# Altium PCB S3220B.PcbDoc (part 1 of 3) (continued)
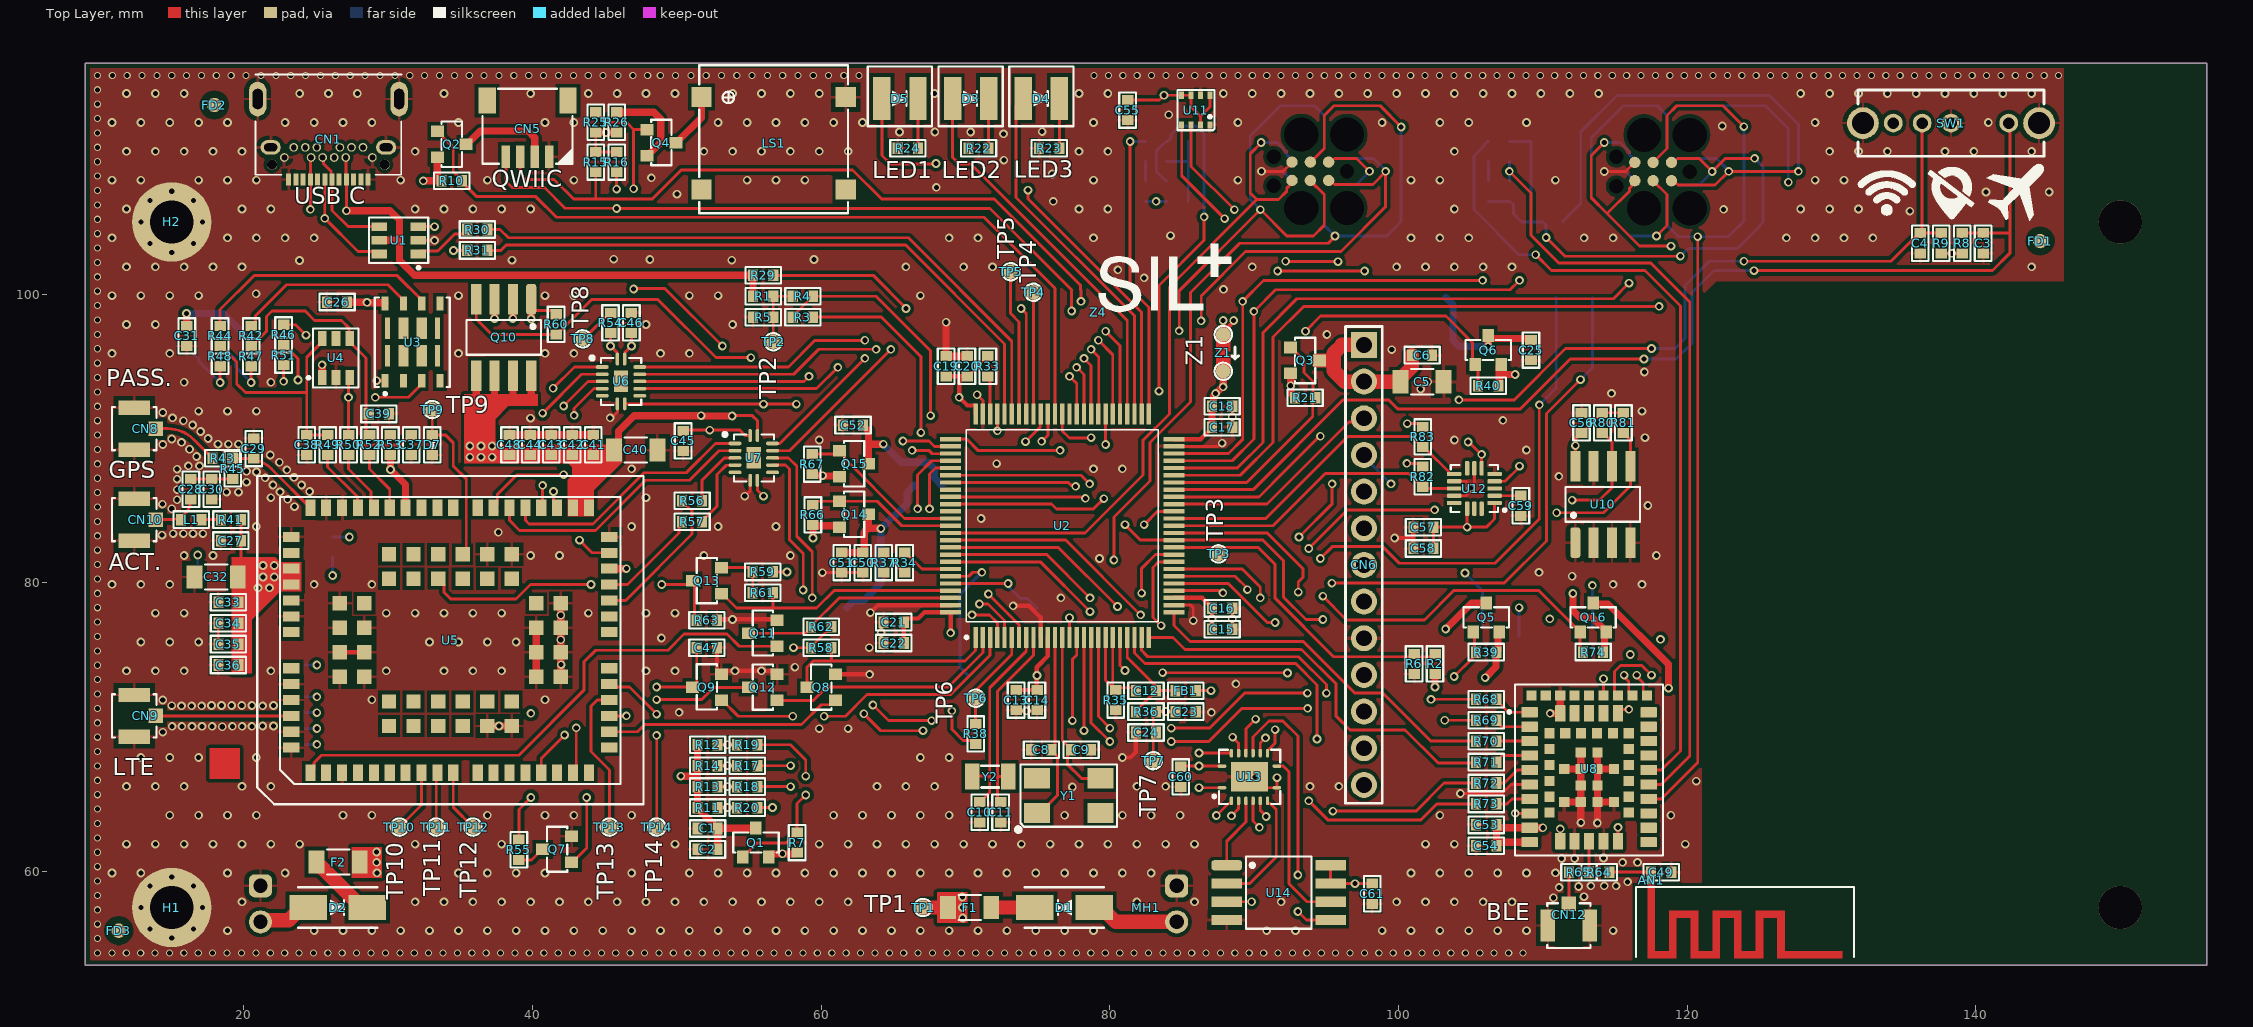
[diagram p0: Top Layer view]
## Classes and differential pairs
component class S3220B3: C26 C27 C28 C29 C30 C31 C32 C33 C34 C35 C36 C37 C38 C39 C40 C41 C42 C43 C44 C45 C46 C47 C48 CN8 CN9 CN10 CN11 D7 D8 L1 Q7 Q8 Q9 Q10 Q11 Q12 Q13 R41 R42 R43 R44 R45 R46 R47 R48 R49 R50 R51 R52 R53 R54 R55 R56 R57 R58 R59 R60 R61 R62 R63 TP8 TP9 TP10 TP11 TP12 TP13 TP14 U3 U4 U5 U6 U7
component class S3220B2: C7 C8 C9 C10 C11 C12 C13 C14 C15 C16 C17 C18 C19 C20 C21 C22 C23 C24 C25 CN7 D6 FB1 LS1 M1 PB1 PB2 Q4 Q5 Q6 R25 R26 R27 R28 R29 R30 R31 R32 R33 R34 R35 R36 R37 R38 R39 R40 TP4 TP5 TP6 TP7 U2 Y1 Y2 Z1
component class S3220B4: AN1 C49 C50 C51 C52 C53 C54 C55 C56 C57 C58 C59 C60 C61 CN12 CN13 D9 FD1 FD2 FD3 H1 H2 MH1 P1 PB3 PB4 Q14 Q15 Q16 R64 R65 R66 R67 R68 R69 R70 R71 R72 R73 R74 R75 R76 R77 R78 R79 R80 R81 R82 R83 U8 U9 U10 U11 U12 U13 U14 Z2 Z3 Z4 Z5
component class S3220B1: C1 C2 C3 C4 C5 C6 CN1 CN2 CN3 CN4 CN5 CN6 D1 D2 D3 D4 D5 F1 F2 Q1 Q2 Q3 R1 R2 R3 R4 R5 R6 R7 R8 R9 R10 R11 R12 R13 R14 R15 R16 R17 R18 R19 R20 R21 R22 R23 R24 SW1 TP1 TP2 TP3 U1

## Components (designator, comment, footprint, x,y, rotation, side; value= is the part's Value field where it differs from the comment)
AN1 "2.4GHz" AN_2400-PCB-B 117.5,59.375 r0 top
C1 "100nF_50V" C_0603 52.125,62.975 r0 top value=100nF
C2 "10uF_10V" C_0603 52.125,61.525 r0 top value=10uF
C3 "100nF_50V" C_0603 140.5,103.525 r90 top value=100nF
C4 "100nF_50V" C_0603 136.15,103.525 r90 top value=100nF
C5 "220uF_6.3V" C_1206 101.625,93.925 r180 top value=220uF
C6 "100nF_50V" C_0603 101.625,95.775 r180 top value=100nF
C7 "100nF_50V" C_0603 100.8,105 r180 bottom value=100nF
C8 "18pF_50V" C_0603 75.25,68.425 r0 top value=18pF
C9 "18pF_50V" C_0603 78,68.425 r180 top value=18pF
C10 "12pF_50V" C_0603 70.975,64.1 r90 top value=12pF
C11 "12pF_50V" C_0603 72.425,64.1 r90 top value=12pF
C12 "100nF_50V" C_0603 82.5,72.525 r0 top value=100nF
C13 "100nF_50V" C_0603 73.5,71.875 r90 top value=100nF
C14 "10uF_10V" C_0603 74.95,71.875 r90 top value=10uF
C15 "100nF_50V" C_0603 87.775,76.775 r180 top value=100nF
C16 "10uF_10V" C_0603 87.775,78.225 r180 top value=10uF
C17 "100nF_50V" C_0603 87.775,90.775 r180 top value=100nF
C18 "10uF_10V" C_0603 87.775,92.225 r180 top value=10uF
C19 "100nF_50V" C_0603 68.65,95 r270 top value=100nF
C20 "10uF_10V" C_0603 70.1,95 r270 top value=10uF
C21 "100nF_50V" C_0603 65.025,77.275 r0 top value=100nF
C22 "10uF_10V" C_0603 65.025,75.825 r0 top value=10uF
C23 "100nF_50V" C_0603 85.25,71.075 r180 top value=100nF
C24 "10uF_10V" C_0603 82.5,69.625 r0 top value=10uF
C25 "22uF_6.3V" C_0603 109.175,96.125 r90 top value=22uF
C26 "100nF_50V" C_0603 26.45,99.45 r0 top value=100nF
C27 "100nF_50V" C_0603 19.1,82.925 r0 top value=100nF
C28 "100pF_50V" C_0603 16.325,86.475 r270 top value=100pF
C29 "18pF_50V" C_0603 20.675,89.3 r270 top value=18pF
C30 "18pF_50V" C_0603 17.775,86.475 r90 top value=18pF
C31 "100nF_50V" C_0603 16.05,97.1 r90 top value=100nF
C32 "220uF_6.3V" C_1206 18.075,80.4 r0 top value=220uF
C33 "22uF_6.3V" C_0603 18.925,78.65 r0 top value=22uF
C34 "1uF_50V" C_0603 18.925,77.2 r180 top value=1uF
C35 "100nF_50V" C_0603 18.925,75.75 r0 top value=100nF
C36 "33pF_50V" C_0603 18.925,74.3 r0 top value=33pF
C37 "33pF_50V" C_0603 31.6,89.55 r90 top value=33pF
C38 "33pF_50V" C_0603 24.35,89.55 r90 top value=33pF
C39 "33pF_50V" C_0603 29.35,91.7 r180 top value=33pF
C40 "220uF_6.3V" C_1206 47.15,89.2 r180 top value=220uF
C41 "22uF_6.3V" C_0603 44.2,89.55 r270 top value=22uF
C42 "1uF_50V" C_0603 42.75,89.55 r90 top value=1uF
C43 "100nF_50V" C_0603 41.3,89.55 r270 top value=100nF
C44 "33pF_50V" C_0603 39.85,89.55 r270 top value=33pF
C45 "100nF_50V" C_0603 50.425,89.825 r270 top value=100nF
C46 "100nF_50V" C_0603 46.85,98 r90 top value=100nF
C47 "100nF_50V" C_0603 52.075,75.5 r180 top value=100nF
C48 "22uF_6.3V" C_0603 38.4,89.55 r270 top value=22uF
C49 "1.5pF_50V" C_0603 118.2,59.95 r180 top value=1.5pF
C50 "100nF_50V" C_0603 62.875,81.4 r90 top value=100nF
C51 "10uF_10V" C_0603 61.425,81.4 r90 top value=10uF
C52 "100nF_50V" C_0603 62.2,90.925 r0 top value=100nF
C53 "100nF_50V" C_0603 106.075,63.225 r0 top value=100nF
C54 "10uF_10V" C_0603 106.075,61.775 r0 top value=10uF
C55 "100nF_50V" C_0603 81.225,112.75 r270 top value=100nF
C56 "100nF_50V" C_0603 112.675,91.075 r270 top value=100nF
C57 "10uF_10V" C_0603 101.725,83.85 r0 top value=10uF
C58 "100nF_50V" C_0603 101.725,82.375 r180 top value=100nF
C59 "100nF_50V" C_0603 108.475,85.329 r270 top value=100nF
C60 "100nF_50V" C_0603 84.9,66.55 r270 top value=100nF
C61 "100nF_50V" C_0603 98.175,58.45 r90 top value=100nF
CN1 "USB-C" CN_USB-C-RA_2 25.85,113.15 r180 top locked
CN2 "S2B-XH" CN_S2B-XH-A 84.625,57.75 r270 bottom
CN3 "S2B-XH" CN_S2B-XH-A 21.15,57.75 r270 bottom
CN4 "MicroSD" CN_MicroSD-Holder 24.25,71.55 r90 bottom locked
CN5 "QWIIC" CN_SM04B-SRSS-TB 39.65,111.3 r180 top
CN6 "PN5180 Module" CN_RFID-PN5180 97.6,81.235 r270 top locked
CN7 "TC2030_MCP" CN_TC2030-MCP-NL 93.875,108.51 r180 bottom locked value=TC2030
CN8 "uFL" CN_RF_uFL 12.4,90.675 r90 top
CN9 "uFL" CN_RF_uFL 12.4,70.775 r90 top
CN10 "uFL" CN_RF_uFL 12.4,84.375 r90 top
CN11 "MicroSIM" CN_MicroSIM-Holder 17.725,95.825 r270 bottom locked
CN12 "uFL" CN_RF_uFL 111.8,56.25 r180 top
CN13 "TC2030_MCP" CN_TC2030-MCP-NL 117.625,108.49 r180 bottom locked value=TC2030
D1 "40V_3A" D_DO-214AC 76.85,57.5 r180 top value=40V
D2 "40V_3A" D_DO-214AC 26.5,57.5 r0 top value=40V
D3 "LED_Green" LED_2-SMD_4x4 70.35,113.55 r180 top value=LED
D4 "LED_Red" LED_2-SMD_4x4 75.25,113.55 r180 top value=LED
D5 "LED_Blue" LED_2-SMD_4x4 65.45,113.55 r180 top value=LED
D6 "LED_Red" LED_0603 82.475,109.875 r90 bottom value=LED
D7 "TVS_15V" D_0603 33.05,89.55 r90 top value=TVS
D8 "LED_Red" LED_0603 26.15,82.475 r270 bottom value=LED
D9 "LED_Red" LED_0603 106.225,109.875 r90 bottom value=LED
F1 "5.0A_63V" F_1206 70.275,57.5 r0 top value=5.0A
F2 "5.0A_63V" F_1206 26.525,60.65 r180 top value=5.0A
FB1 "68R_1A" L_0603 85.25,72.525 r0 top value=68R
FD1 "Fiducial" FD_Fiducial 144.45,103.675 r90 top
FD2 "Fiducial" FD_Fiducial 17.95,113.1 r90 top
FD3 "Fiducial" FD_Fiducial 11.325,55.9 r0 top
H1 "3mm" H_Hole_30M_55M 15,57.5 r0 top
H2 "3mm" H_Hole_30M_55M 15,105 r0 top
L1 "47nH_300mA" L_0603 16.35,84.375 r180 top value=47nH
LS1 "SMT-1028-S-2-R" LS_SMT-1028-S-2-R 56.7,110.35 r0 top
M1 "M300_socket" M_M300_socket 95.52,74.84 r90 bottom locked value=M300
MH1 "TW13-3" MH_TW13-3 82.5,57.5 r0 top locked
PB1 "SPST" PB_PTS810 86.5,108.5 r270 bottom
PB2 "SPST" PB_PTS810 101.25,108.5 r90 bottom
PB3 "SPST" PB_PTS810 110.25,108.5 r270 bottom
PB4 "SPST" PB_PTS810 125,108.5 r90 bottom
Q1 "PMV65XPEAR" U_SOT23-3 55.475,62 r0 top
Q2 "PMV65XPEAR" U_SOT23-3 34.4,110.375 r270 top
Q3 "PMV65XPEAR" U_SOT23-3 93.525,95.4 r270 top
Q4 "PMV65XPEAR" U_SOT23-3 48.925,110.5 r270 top
Q5 "PMV65XPEAR" U_SOT23-3 106.075,77.6 r0 top
Q6 "PMV65XPEAR" U_SOT23-3 106.21,96.125 r0 top
Q7 "DDTC143" Q_SOT23 41.7,61.525 r90 top
Q8 "DDTC143" Q_SOT23 60,72.75 r90 top
Q9 "DDTC143" Q_SOT23 52.075,72.775 r90 top
Q10 "AOSP21313C" U_8-SOIC_3.9 38,97 r270 top
Q11 "DDTC143" Q_SOT23 55.95,76.5 r90 top
Q12 "DDTC143" Q_SOT23 55.95,72.75 r90 top
Q13 "PMV65XPEAR" U_SOT23-3 52.075,80.15 r90 top
Q14 "PMV65XPEAR" U_SOT23-3 62.275,84.75 r270 top
Q15 "PMV65XPEAR" U_SOT23-3 62.275,88.25 r270 top
Q16 "PMV65XPEAR" U_SOT23-3 113.475,77.6 r0 top
R1 "1M" R_0603 55.975,99.85 r180 top
R2 "1M" R_0603 102.525,74.375 r270 top
R3 "68" R_0603 58.725,98.4 r180 top
R4 "68" R_0603 58.725,99.85 r180 top
R5 "1M" R_0603 55.975,98.4 r0 top
R6 "1M" R_0603 101.075,74.375 r90 top
R7 "1M" R_0603 58.325,62 r90 top
R8 "1M" R_0603 139.05,103.525 r270 top
R9 "1M" R_0603 137.6,103.525 r270 top
R10 "1M" R_0603 34.4,107.85 r180 top
R11 "47k" R_0603 52.125,64.425 r180 top
R12 "47k" R_0603 52.125,68.775 r180 top
R13 "47k" R_0603 52.125,65.875 r180 top
R14 "47k" R_0603 52.125,67.325 r180 top
R15 "10k" R_0603 44.375,109.15 r90 top
R16 "10k" R_0603 45.825,109.15 r90 top
R17 "33" R_0603 54.875,67.325 r180 top
R18 "33" R_0603 54.875,65.875 r180 top
R19 "33" R_0603 54.875,68.775 r180 top
R20 "33" R_0603 54.875,64.425 r180 top
R21 "1M" R_0603 93.525,92.825 r0 top
R22 "620" R_0603 70.9,110.1 r180 top
R23 "620" R_0603 75.8,110.1 r180 top
R24 "620" R_0603 66,110.1 r180 top
R25 "1M" R_0603 44.375,111.9 r270 top
R26 "0" R_0603 45.825,111.9 r90 top
R27 "1M" R_0603 83.925,107.125 r90 bottom
R28 "68" R_0603 82.475,107.125 r270 bottom
R29 "68" R_0603 55.975,101.3 r0 top
R30 "68" R_0603 36.175,104.475 r0 top
R31 "68" R_0603 36.175,103.025 r0 top
R32 "1k" R_0603 83.925,109.875 r90 bottom
R33 "0" R_0603 71.55,95 r90 top
R34 "1k" R_0603 65.775,81.4 r90 top
R35 "0" R_0603 80.4,71.875 r90 top
R36 "0" R_0603 82.5,71.075 r180 top
R37 "10k" R_0603 64.325,81.4 r90 top
R38 "0" R_0603 70.7,69.525 r90 top
R39 "1M" R_0603 106.075,75.2 r0 top
R40 "1M" R_0603 106.21,93.65 r180 top
R41 "10" R_0603 19.1,84.375 r180 top
R42 "0" R_0603 20.5,97.1 r270 top
R43 "0" R_0603 18.525,88.625 r180 top
R44 "0" R_0603 18.35,97.1 r270 top
R45 "0" R_0603 19.225,87.9 r270 top
R46 "0" R_0603 22.75,97.175 r270 top
R47 "0" R_0603 20.5,95.7 r270 top
R48 "0" R_0603 18.35,95.7 r270 top
R49 "22" R_0603 25.8,89.55 r90 top
R50 "22" R_0603 27.25,89.55 r90 top
R51 "0" R_0603 22.75,95.775 r270 top
R52 "22" R_0603 28.7,89.55 r90 top
R53 "15k" R_0603 30.15,89.55 r90 top
R54 "10k" R_0603 45.4,98 r90 top
R55 "68" R_0603 39.05,61.5 r90 top
R56 "0" R_0603 51.05,85.675 r0 top
R57 "0" R_0603 51.05,84.225 r0 top
R58 "10k" R_0603 60,75.5 r0 top
R59 "10k" R_0603 55.95,80.75 r180 top
R60 "1M" R_0603 41.625,97.9 r90 top
R61 "1M" R_0603 55.95,79.3 r180 top
R62 "10k" R_0603 60,76.95 r180 top
R63 "10k" R_0603 52.075,77.4 r0 top
R64 "0" R_0603 113.9,59.95 r180 top
R65 "0" R_0603 112.5,59.95 r180 top
R66 "1M" R_0603 59.425,84.7 r270 top
R67 "1M" R_0603 59.375,88.225 r270 top
R68 "68" R_0603 106.075,71.925 r0 top
R69 "68" R_0603 106.075,70.475 r0 top
R70 "68" R_0603 106.075,69.025 r0 top
R71 "68" R_0603 106.075,67.575 r0 top
R72 "68" R_0603 106.075,66.125 r0 top
R73 "68" R_0603 106.075,64.675 r0 top
R74 "1M" R_0603 113.475,75.2 r0 top
R75 "1M" R_0603 107.675,107.125 r90 bottom
R76 "68" R_0603 106.225,107.125 r270 bottom
R77 "1k" R_0603 107.675,109.875 r270 bottom
R78 "10k" R_0603 124.55,105 r0 bottom
R79 "100k" R_0603 110.7,105 r180 bottom
R80 "10k" R_0603 114.125,91.075 r90 top
R81 "10k" R_0603 115.575,91.075 r90 top
R82 "1M" R_0603 101.675,87.35 r270 top
R83 "1M" R_0603 101.675,90.1 r270 top
SW1 "SP3T" SW_SLIDE-SP3T 138.275,111.85 r180 top locked
TP1 "Test point" TP_SMD_R1.0mm 67.05,57.5 r90 top
TP2 "Test point" TP_SMD_R1.0mm 56.675,96.7 r90 top
TP3 "Test point" TP_SMD_R1.0mm 87.525,82 r270 top
TP4 "Test point" TP_SMD_R1.0mm 74.7,100.125 r0 top
TP5 "Test point" TP_SMD_R1.0mm 73.125,101.55 r0 top
TP6 "Test point" TP_SMD_R1.0mm 70.7,72 r180 top
TP7 "Test point" TP_SMD_R1.0mm 83,67.675 r0 top
TP8 "Test point" TP_SMD_R1.0mm 43.475,96.9 r90 top
TP9 "Test point" TP_SMD_R1.0mm 33.05,92 r0 top
TP10 "Test point" TP_SMD_R1.0mm 30.775,63.075 r270 top
TP11 "Test point" TP_SMD_R1.0mm 33.325,63.075 r270 top
TP12 "Test point" TP_SMD_R1.0mm 35.875,63.075 r270 top
TP13 "Test point" TP_SMD_R1.0mm 45.325,63.075 r270 top
TP14 "Test point" TP_SMD_R1.0mm 48.6,63.075 r270 top
U1 "USBLC6" U_SOT23-6 30.725,103.725 r90 top
U2 "STM32L476VGT6" U_100-LQFP 76.7,83.95 r90 top locked
U3 "eSIM" U_MFF2 31.662,96.667 r90 top
U4 "SRV05-4HTG" U_SOT23-6 26.375,95.575 r0 top
U5 "BG95-M3" U_BG96_BG95 34.3,76.025 r90 top locked
U6 "NTB0104" U_14-DHVQFN 46.125,93.95 r0 top
U7 "NTB0104" U_14-DHVQFN 55.325,88.65 r0 top
U8 "NINA-B301" U_NINA-B301 113.2,67.025 r270 top locked
U9 "SAM-M8Q" U_SAM-M8Q 68.35,80.15 r270 bottom locked
U10 "M24C32" U_8-SOIC_3.9 114.15,85.425 r90 top
U11 "BME280" U_BME280 85.95,112.75 r270 top
U12 "MMA8452" U_16-QFN-5X3 105.25,86.53 r180 top
U13 "TS3A5018" U_16-VFQFN 89.675,66.55 r90 top
U14 "W25Q32" U_8-SOIC_5.3 91.692,58.525 r0 top
Y1 "8MHz" Y_ABMM2 77.15,65.25 r90 top
Y2 "32.768kHz" Y_XTAL-3215 71.7,66.575 r0 top
Z1 "I sense" Z_I_SENSE 87.85,95.925 r270 top
Z2 "SIL PGM" Z_SIL-PGM 103.875,103.5 r180 bottom locked
Z3 "SIL logo" Z_SIL-logo 85.8,93.3 r180 bottom
Z4 "SIL logo" Z_SIL-logo 79.2,98.725 r0 top
Z5 "SIL PGM" Z_SIL-PGM 127.625,103.5 r180 bottom locked

## Footprints (in the part's own frame and the unit in brackets; to place one, negate y for a bottom-side part, rotate by r counter-clockwise, add the part's x,y. Pads: shape width x height; smd on the part's side, far side on the other; paste and mask are expansions set on the pad)
AN_2400-PCB-B [mm]
  round 0.5 smd mask+0: 1(0,0)
  Top Layer region: 1.75,-5.4 -0.25,-5.4 -0.25,0.275 0.25,0.275 0.25,-4.9 1.25,-4.9 1.25,-2.1 3.25,-2.1 3.25,-4.9 4.25,-4.9 4.25,-2.1 6.25,-2.1 6.25,-4.9 7.25,-4.9 7.25,-2.1 9.25,-2.1 9.25,-4.9 13.25,-4.9 13.25,-5.4 8.75,-5.4 8.75,-2.6 7.75,-2.6 7.75,-5.4 5.75,-5.4 5.75,-2.6 4.75,-2.6 4.75,-5.4 2.75,-5.4 2.75,-2.6 1.75,-2.6
  Multi-Layer pour cut-out: -1.325,-5.55 14.35,-5.55 14.35,-0.15 -1.325,-0.15
  silkscreen extent -1.05,-5.3 14.05,-0.45
C_0603 [mm]
  rect 0.7x0.8 smd: 1(-0.7,0) 2(0.7,0)
  silkscreen extent -1.22,-0.58 1.22,0.58, body extent -0.8,-0.43 0.8,0.44, height 0.8
C_1206 [mm]
  rect 1.1x1.6 smd: 1(-1.5,0) 2(1.5,0)
  silkscreen extent -0.77,-0.87 0.77,0.87, body extent -1.6,-0.85 1.6,0.85, height 1.7
CN_MicroSD-Holder [mm] "CONN MICRO SD CARD"
  rect 0.95x2.5 smd: 0(-8.2,-0.625)
  rect 1.15x2.2 smd: 0(-8.1,-11.95) 0(6.2,-0.475)
  rect 1.5x1.15 smd: 0(-3.8,-12.75) 0(3.975,-12.75)
  rect 0.8x1.25 smd: 1(-3.85,0) 2(-2.75,0) 3(-1.65,0) 4(-0.55,0) 5(0.55,0) 6(1.65,0) 7(2.75,0) 8(3.85,0)
  rect 1.16x1.2 smd: 9(5.8,-11.625)
  rect 1.16x1.25 smd: 10(5.8,-2.625)
  silkscreen extent -8.93,-13.57 7.02,2, body extent -8.41,-13.08 6.53,1.88, height 1.48
CN_MicroSIM-Holder [mm] "CONN MICRO SIM CARD"
  rect 0.95x1.2 smd: 0(-0.125,-5.425) 0(-0.125,5.425)
  rect 1.4x0.95 smd: 0(13.075,-6.25) 0(13.075,6.25)
  rect 0.8x0.9 smd: C1(0,-2.575) C2(0,-1.325) C3(0,1.2) C5(14.95,-2.575) C6(14.95,-1.325) C7(14.95,1.2)
  silkscreen extent -1.88,-7.05 15.33,7.05, body extent -1.75,-6.92 15.21,6.93, height 1.5
CN_RF_uFL [mm] "Antenna connector 50 Ohm"
  rect 1x2.2 smd: G(-1.45,0) G(1.45,0)
  rect 1x1 smd: S(0,-1.5)
  Top Layer pour cut-out: -0.95,1.55 -0.95,-1.55 0.95,-1.55 0.95,1.55
  silkscreen extent -1.5,-1.55 1.5,1.55, body extent -1.5,-1.55 1.5,1.55, height 1.25
CN_RFID-PN5180 [mm]
  rect 1.8x1.8 hole 1.1: 1(-15.24,0)
  round 1.8 hole 1.1: 2(-12.7,0) 3(-10.16,0) 4(-7.62,0) 5(-5.08,0) 6(-2.54,0) 7(0,0) 8(2.54,0) 9(5.08,0) 10(7.62,0) 11(10.16,0) 12(12.7,0) 13(15.24,0)
  silkscreen extent -16.51,-1.27 16.51,1.27, body extent -19.53,-2.6 19.47,67.4, height 3.54
CN_S2B-XH-A [mm] "CONN HEADER XH SIDE 2POS 2.5MM"
  rrect50% 1.6x1.6 hole 1: 1(-1.25,0)
  round 1.6 hole 1: 2(1.25,0)
  silkscreen extent -3.85,-9.33 3.85,2.5, body extent -3.7,-9.15 3.7,2.35, height 5.95
CN_SM04B-SRSS-TB [mm] "HEADER SH SIDE 4POS 1.0MM"
  rect 1.2x1.8 smd: 0(-2.8,-2.1) 0(2.8,-2.1)
  rect 0.6x1.55 smd: 1(-1.5,1.775) 2(-0.5,1.775) 3(0.5,1.775) 4(1.5,1.775)
  silkscreen extent -3.13,-2.93 3.13,2.27, body extent -3,-2.8 3,2.15, height 3.25
CN_TC2030-MCP-NL [mm] "TC2030-MCP-NL with holes for clips"
  round 0 hole 2.375 unplated: 0(-2.55,-2.54) 0(-2.55,2.54) 0(0.625,-2.54) 0(0.625,2.54)
  round 0 hole 1 unplated: 0(-2.55,0) 0(2.53,-1.016) 0(2.53,1.016)
  round 0.787 smd paste-0.4: 1(-1.28,-0.635) 2(-1.28,0.635) 3(-0.01,-0.635) 4(-0.01,0.635) 5(1.26,-0.635)
  round 0.787 smd far side paste-0.4: 1(-1.28,0.635) 2(-1.28,-0.635) 3(-0.01,0.635) 4(-0.01,-0.635) 5(1.26,0.635)
  round 0.787 smd far side paste-0.4 mask+0.102: 6(1.26,-0.635)
  round 0.787 smd paste-0.4 mask+0.102: 6(1.26,0.635)
CN_USB-C-RA_2 [mm] "USB - C USB 3.1"
  rect 0.35x0.85 smd: A1(-2.752,5.21) A2(-2.252,5.21) A3(-1.752,5.21) A4(-1.252,5.21) A5(-0.752,5.21) A6(-0.252,5.21) A7(0.248,5.21) A8(0.748,5.21) A9(1.248,5.21) A10(1.748,5.21) A11(2.248,5.21) A12(2.748,5.21)
  round 0.6 hole 0.4: B1(3.048,3.685) B2(2.398,2.985) B3(1.598,2.985) B4(1.198,3.685) B5(0.798,2.985) B6(0.398,3.685) B7(-0.402,3.685) B8(-0.802,2.985) B9(-1.202,3.685) B10(-1.602,2.985) B11(-2.402,2.985) B12(-3.052,3.685)
  oval 1.2x2.4 hole 0.7 slot 1.4 at 90 deg: S1(-4.902,-0.365) S2(4.898,-0.365)
  oval 1.5x3 on Top Paste: S1(-4.902,-0.365) S2(4.898,-0.365)
  oval 1.4x1 hole 0.55 slot 0.9 at 0 deg: S3(-4.002,2.985) S4(3.998,2.985)
  oval 1.5x1.1 on Top Paste: S3(-4.002,2.985) S4(3.998,2.985)
  round 0.7 hole 0.7 unplated: ""(-3.902,4.185) ""(3.898,4.185)
  silkscreen extent -5.05,-2.06 5.05,4.89, body extent -5.05,-4.85 5.05,5.35, height 4.29
D_0603 [mm]
  rect 0.7x0.8 smd: 1(-0.7,0) 2(0.7,0)
  silkscreen extent -1.22,-0.58 1.22,0.58, body extent -0.9,-0.5 0.9,0.5, height 0.85
D_DO-214AC [mm]
  rect 2.6x1.7 smd: A(-2.05,0) K(2.05,0)
  silkscreen extent -2.75,-1.4 2.75,1.4, body extent -2.74,-1.4 2.74,1.4, height 2.24
F_1206 [mm]
  rect 1.1x1.6 smd: 1(-1.5,0) 2(1.5,0)
  silkscreen extent -0.77,-0.87 0.77,0.87, body extent -1.51,-0.8 1.51,0.8, height 1.1
FD_Fiducial [mm] "Fiducial - reference point"
  round 1 smd paste-10 mask+0.5: 0(0,0)
  round 1 smd far side paste-10 mask+0.5: 0(0,0)
  Top Layer pour cut-out: 0,-1 -0.383,-0.924 -0.707,-0.707 -0.924,-0.383 -1,0 -1,0 -0.924,0.383 -0.707,0.707 -0.383,0.924 0,1 0,1 0.383,0.924 0.707,0.707 0.924,0.383 1,0 1,0 0.924,-0.383 0.707,-0.707 0.383,-0.924 0,-1
  Bottom Layer pour cut-out: 0,-1 -0.383,-0.924 -0.707,-0.707 -0.924,-0.383 -1,0 -1,0 -0.924,0.383 -0.707,0.707 -0.383,0.924 0,1 0,1 0.383,0.924 0.707,0.707 0.924,0.383 1,0 1,0 0.924,-0.383 0.707,-0.707 0.383,-0.924 0,-1
H_Hole_30M_55M [mm] "Hole 3mm, Pad 5.5mm"
  round 5.5 hole 3: 0(0,0)
  round 0.6 hole 0.35: ""(-2.125,0) ""(-1.5,-1.5) ""(-1.5,1.5) ""(0,-2.125) ""(0,2.125) ""(1.5,-1.5) ""(1.5,1.5) ""(2.125,0)
L_0603 [mm]
  rect 0.7x0.8 smd: 1(-0.7,0) 2(0.7,0)
  silkscreen extent -1.22,-0.58 1.22,0.58, body extent -0.8,-0.48 0.8,0.48, height 0.8
LED_2-SMD_4x4 [mm] "Chip Diode, 2-Leads, Body 4.00x4.00mm, IPC Medium Density"
  rect 1.2x3 smd: 1(1.25,0) 2(-1.25,0)
  silkscreen extent -2.22,-2.22 2.22,1.92, body extent -2.1,-2.1 2.1,1.8, height 4.25
LED_0603 [mm]
  rect 0.7x0.8 smd: 1(-0.7,0) 2(0.7,0)
  silkscreen extent -1.22,-0.58 1.22,0.58, body extent -0.9,-0.5 0.9,0.5, height 0.85
LS_SMT-1028-S-2-R [mm] "Buzzers Transducer"
  rect 1.4x1.4 smd: 0(-5,-3.1) 0(5,-3.1) 1(-5,3.3) 2(5,3.3)
  silkscreen extent -5.15,-4.75 5.15,5.5, body extent -5.4,-4.62 5.4,5.38, height 3.52
M_M300_socket [mm] "Module M300 motherboard socket"
  rect 4.2x1.5 smd: 1(24.335,5.205) 2(24.335,7.745) 3(24.335,10.285) 4(24.335,12.825) 5(24.335,15.365) 6(24.335,17.905) 7(24.335,20.445) 8(24.335,22.985) 9(1.475,22.98) 10(1.475,20.445) 11(1.475,17.905) 12(1.475,15.365) 13(1.475,12.825) 14(1.475,10.285) 15(1.475,7.745) 16(1.475,5.205)
  silkscreen extent 0.2,0.2 25.6,60.2
MH_TW13-3 [mm] "Case Takachi TW13-3 Bottom"
PB_PTS810 [mm] "Tactile Switch SPST"
  rect 1.05x0.65 smd paste-0.025 mask+0.07: 1(-2.075,1.075) 1(2.075,1.075) 2(-2.075,-1.075) 2(2.075,-1.075)
  silkscreen extent -2.4,-1.7 2.37,1.7, body extent -2.3,-1.6 2.27,1.6, height 2.5
Q_SOT23 [mm]
  rect 0.8x0.9 smd paste+0 mask+0.05: 1(-0.9,-1)
  rect 0.8x0.9 smd mask+0.05: 2(0.9,-1) 3(0,1)
  silkscreen extent -1.55,-0.7 1.58,0.7, body extent -1.46,-1.17 1.46,1.17, height 1
R_0603 [mm]
  rect 0.7x0.8 smd: 1(-0.7,0) 2(0.7,0)
  silkscreen extent -1.22,-0.58 1.22,0.58, body extent -0.8,-0.4 0.8,0.4, height 0.4
SW_SLIDE-SP3T [mm]
  round 2.2 hole 1.5: 0(-6.1,0) 0(6.1,0)
  round 1.3 hole 0.8: 1(-4,0) 2(0,0) 3(2,0) 4(4,0)
  silkscreen extent -6.45,-2.3 6.45,2.3, body extent -6.3,-7.15 6.3,2.15, height 4.75
TP_SMD_R1.0mm [mm] "Test point SMD"
  round 1 smd paste-5: 1(0,0)
  silkscreen extent -0.6,-0.6 0.6,0.6
U_8-SOIC_3.9 [mm] "SOIC, 8-Leads, Body 4.9x3.9mm, Pitch 1.27mm, IPC Low Density"
  rrect50% 2.1x0.7 smd: 1(-2.65,1.905)
  rect 2.1x0.7 smd: 2(-2.65,0.635) 3(-2.65,-0.635) 4(-2.65,-1.905) 5(2.65,-1.905) 6(2.65,-0.635) 7(2.65,0.635) 8(2.65,1.905)
  silkscreen extent -1.2,-2.58 1.2,2.58, body extent -3,-2.45 3,2.45, height 1.63
U_8-SOIC_5.3 [mm] "SOIC, 8-Leads, Body 4.9x5.3mm, Pitch 1.27mm, IPC Low Density"
  rrect50% 2.1x0.7 smd: 1(-3.6,1.9)
  rect 2.1x0.7 smd: 2(-3.6,0.625) 3(-3.6,-0.625) 4(-3.6,-1.9) 5(3.6,-1.9) 6(3.6,-0.625) 7(3.6,0.625) 8(3.6,1.9)
  silkscreen extent -2.27,-2.5 2.27,2.5, body extent -3.95,-2.65 3.95,2.65, height 1.95
U_14-DHVQFN [mm] "14-DHVQFN 2.5x3"
  rect 1x1.5 smd paste-1.07 mask+0.07: 0(0,0)
  oval 0.25x0.9 smd mask+0.07: 1(-0.25,1.55) 7(-0.25,-1.55) 8(0.25,-1.55) 14(0.25,1.55)
  oval 0.9x0.25 smd mask+0.07: 2(-1.3,1) 3(-1.298,0.499) 4(-1.298,-0.001) 5(-1.298,-0.501) 6(-1.298,-1.001) 9(1.302,-1.001) 10(1.302,-0.501) 11(1.302,-0.001) 12(1.302,0.499) 13(1.3,1)
  silkscreen extent -2.12,-1.63 1.4,1.75, body extent -1.25,-1.5 1.25,1.5, height 0.87
U_16-QFN-5X3 [mm] "16-QFN 5X3 3x3mm"
  rrect50% 1x0.3 smd: 1(-1.4,1.001) 2(-1.4,0.501) 3(-1.4,0.001) 4(-1.4,-0.499) 5(-1.4,-1) 9(1.4,-1) 10(1.4,-0.5) 11(1.4,0) 12(1.4,0.5) 13(1.4,1.001)
  rrect50% 0.3x1 smd: 6(-0.5,-1.4) 7(0,-1.4) 8(0.5,-1.4) 14(0.499,1.4) 15(-0.001,1.4) 16(-0.501,1.4)
  silkscreen extent -2.2,-1.63 1.63,1.63, body extent -1.5,-1.5 1.5,1.5, height 1.05
U_16-VFQFN [mm] "16-VQFN (4x4)"
  oval 0.24x0.6 smd paste+0 mask+0.051: 1(-0.756,1.908) 8(-0.756,-1.892) 9(0.744,-1.892) 16(0.744,1.908)
  oval 0.6x0.24 smd paste+0 mask+0.051: 2(-1.656,1.258) 3(-1.656,0.758) 4(-1.656,0.258) 5(-1.656,-0.242) 6(-1.656,-0.742) 7(-1.656,-1.242) 10(1.644,-1.242) 11(1.644,-0.742) 12(1.644,-0.242) 13(1.644,0.258) 14(1.644,0.758) 15(1.644,1.258)
  rect 2.05x2.55 smd paste-1.025 mask+0.051: 17(0,0)
  silkscreen extent -1.88,-2.12 1.88,2.55, body extent -1.75,-2 1.75,2, height 1
U_100-LQFP [mm] "100-LQFP"
  rect 1.475x0.3 smd: 1(-7.738,6) 2(-7.738,5.5) 3(-7.738,5) 4(-7.738,4.5) 5(-7.738,4) 6(-7.738,3.5) 7(-7.738,3) 8(-7.738,2.5) 9(-7.738,2) 10(-7.738,1.5) 11(-7.738,1) 12(-7.738,0.5) 13(-7.738,0) 14(-7.738,-0.5) 15(-7.738,-1) 16(-7.738,-1.5) 17(-7.738,-2) 18(-7.738,-2.5) 19(-7.738,-3) 20(-7.738,-3.5) 21(-7.738,-4) 22(-7.738,-4.5) 23(-7.738,-5) 24(-7.738,-5.5) 25(-7.738,-6) 51(7.738,-6) 52(7.738,-5.5) 53(7.738,-5) 54(7.738,-4.5) 55(7.738,-4) 56(7.738,-3.5) 57(7.738,-3) 58(7.738,-2.5) 59(7.738,-2) 60(7.738,-1.5) 61(7.738,-1) 62(7.738,-0.5) 63(7.738,0) 64(7.738,0.5) 65(7.738,1) 66(7.738,1.5) 67(7.738,2) 68(7.738,2.5) 69(7.738,3) 70(7.738,3.5) 71(7.738,4) 72(7.738,4.5) 73(7.738,5) 74(7.738,5.5) 75(7.738,6)
  rect 0.3x1.475 smd: 26(-6,-7.738) 27(-5.5,-7.738) 28(-5,-7.738) 29(-4.5,-7.738) 30(-4,-7.738) 31(-3.5,-7.738) 32(-3,-7.738) 33(-2.5,-7.738) 34(-2,-7.738) 35(-1.5,-7.738) 36(-1,-7.738) 37(-0.5,-7.738) 38(0,-7.738) 39(0.5,-7.738) 40(1,-7.738) 41(1.5,-7.738) 42(2,-7.738) 43(2.5,-7.738) 44(3,-7.738) 45(3.5,-7.738) 46(4,-7.738) 47(4.5,-7.738) 48(5,-7.738) 49(5.5,-7.738) 50(6,-7.738) 76(6,7.738) 77(5.5,7.738) 78(5,7.738) 79(4.5,7.738) 80(4,7.738) 81(3.5,7.738) 82(3,7.738) 83(2.5,7.738) 84(2,7.738) 85(1.5,7.738) 86(1,7.738) 87(0.5,7.738) 88(0,7.738) 89(-0.5,7.738) 90(-1,7.738) 91(-1.5,7.738) 92(-2,7.738) 93(-2.5,7.738) 94(-3,7.738) 95(-3.5,7.738) 96(-4,7.738) 97(-4.5,7.738) 98(-5,7.738) 99(-5.5,7.738) 100(-6,7.738)
  silkscreen extent -7.83,-6.65 6.65,6.73, body extent -8.07,-8.07 8.07,8.07, height 1.62
U_BG96_BG95 [mm]
  rect 1.15x0.7 smd mask+0.05: 1(-9.175,9.7) 2(-9.175,8.6) 3(-9.175,7.5) 4(-9.175,6.4) 5(-9.175,5.3) 6(-9.175,4.2) 7(-9.175,3.1) 8(-9.175,2) 9(-9.175,0.9) 10(-9.175,-0.2) 11(-9.175,-1.9) 12(-9.175,-3) 13(-9.175,-4.1) 14(-9.175,-5.2) 15(-9.175,-6.3) 16(-9.175,-7.4) 17(-9.175,-8.5) 18(-9.175,-9.6) 32(9.175,-9.6) 33(9.175,-8.5) 34(9.175,-7.4) 35(9.175,-6.3) 36(9.175,-5.2) 37(9.175,-4.1) 38(9.175,-3) 39(9.175,-1.9) 40(9.175,-0.2) 41(9.175,0.9) 42(9.175,2) 43(9.175,3.1) 44(9.175,4.2) 45(9.175,5.3) 46(9.175,6.4) 47(9.175,7.5) 48(9.175,8.6) 49(9.175,9.7)
  rect 0.7x1.15 smd mask+0.05: 19(-7.45,-11.025) 20(-6.35,-11.025) 21(-5.25,-11.025) 22(-4.15,-11.025) 23(-3.05,-11.025) 24(-1.95,-11.025) 25(0.55,-11.025) 26(1.65,-11.025) 27(2.75,-11.025) 28(3.85,-11.025) 29(4.95,-11.025) 30(6.05,-11.025) 31(7.15,-11.025) 50(7.15,11.025) 51(6.05,11.025) 52(4.95,11.025) 53(3.85,11.025) 54(2.75,11.025) 55(1.65,11.025) 56(0.55,11.025) 57(-1.95,11.025) 58(-3.05,11.025) 59(-4.15,11.025) 60(-5.25,11.025) 61(-6.35,11.025) 62(-7.45,11.025)
  rect 1x1 smd mask+0.05: 63(-5.95,4.25) 64(-5.95,2.55) 65(-5.95,0.85) 66(-5.95,-0.85) 67(-5.95,-2.55) 68(-5.95,-4.25) 69(-2.55,-7.65) 70(-0.85,-7.65) 71(0.85,-7.65) 72(2.55,-7.65) 73(5.95,-4.25) 74(5.95,-2.55) 75(5.95,-0.85) 76(5.95,0.85) 77(5.95,2.55) 78(5.95,4.25) 79(2.55,7.65) 80(0.85,7.65) 81(-0.85,7.65) 82(-2.55,7.65) 83(-4.25,4.25) 84(-4.25,2.55) 85(-4.25,0.85) 86(-4.25,-0.85) 87(-4.25,-2.55) 88(-4.25,-4.25) 89(-2.55,-5.95) 90(-0.85,-5.95) 91(0.85,-5.95) 92(2.55,-5.95) 93(4.25,-4.25) 94(4.25,-2.55) 95(4.25,-0.85) 96(4.25,0.85) 97(4.25,2.55) 98(4.25,4.25) 99(2.55,5.95) 100(0.85,5.95) 101(-0.85,5.95) 102(-2.55,5.95)
  silkscreen extent -11.37,-13.37 11.37,13.37, body extent -11.25,-13.25 11.25,13.25, height 3.98
U_BME280 [mm] "SENSOR PRESSURE HUMIDITY TEMP"
  rect 0.5x0.35 smd: 1(1.025,0.975) 2(1.025,0.325) 3(1.025,-0.325) 4(1.025,-0.975) 5(-1.025,-0.975) 6(-1.025,-0.325) 7(-1.025,0.325) 8(-1.025,0.975)
  silkscreen extent -1.4,-1.27 1.4,1.3, body extent -1.25,-1.25 1.25,1.25, height 0.92
U_MFF2 [mm] "M2M embedded SIM card IC"
  rect 0.96x0.5 smd: C1(2.683,1.882) C2(2.683,0.612) C3(2.683,-0.658) C4(2.683,-1.928) C5(-2.667,1.882) C6(-2.667,0.612) C7(-2.667,-0.658) C8(-2.667,-1.928)
  rect 1.5x0.7 smd: NC(-0.942,-0.658) NC(-0.942,0.612) NC(0.958,-0.658) NC(0.958,0.612)
  rect 1.5x0.35 smd: NC(-0.942,1.707) NC(-0.942,-1.753) NC(0.958,1.707) NC(0.958,-1.753)
  silkscreen extent -3.67,-2.6 3.1,2.6, body extent -3,-2.5 3,2.5, height 0.82
U_NINA-B301 [mm] "Stand-alone Bluetooth low energy module"
  rrect10% 0.7x1.15 smd paste+0 mask+0.05: 1(-4,-4.125) 2(-3,-4.125) 3(-2,-4.125) 4(-1,-4.125) 5(0,-4.125) 6(1,-4.125) 7(2,-4.125) 8(3,-4.125) 9(4,-4.125) 10(5,-4.125) 16(5,4.125) 17(4,4.125) 18(3,4.125) 19(2,4.125) 20(1,4.125) 21(0,4.125) 22(-1,4.125) 23(-2,4.125) 24(-3,4.125) 25(-4,4.125)
  rrect10% 1.15x0.7 smd paste+0 mask+0.05: 11(4.925,-2) 12(4.925,-1) 13(4.925,0) 14(4.925,1) 15(4.925,2) 26(-3.925,2) 27(-3.925,1) 28(-3.925,0) 29(-3.925,-1) 30(-3.925,-2)
  rect 0.7x0.7 smd paste+0 mask+0.05: 31(-2.55,-2.75) 32(-1.45,-2.75) 33(-0.35,-2.75) 34(0.75,-2.75) 35(1.85,-2.75) 36(2.95,-2.75) 37(2.95,2.75) 38(1.85,2.75) 39(0.75,2.75) 40(-0.35,2.75) 41(-1.45,2.75) 42(-2.55,2.75) 43(-2.55,1.65) 44(-2.55,0.55) 45(-2.55,-0.55) 46(-2.55,-1.65) 47(-5.15,4) 48(-5.15,3) 49(-5.15,2) 50(-5.15,1) 51(-5.15,0) 52(-5.15,-1) 53(-5.15,-2) 54(-5.15,-3) 55(-5.15,-4) 56(-0.075,1.725) 57(2.225,1.725) 58(-1.225,0.575) 59(-0.075,0.575) 60(1.075,0.575) 61(2.225,0.575) 62(-1.225,-0.575) 63(-0.075,-0.575) 64(1.075,-0.575) 65(2.225,-0.575) 66(-0.075,-1.725) 67(2.225,-1.725)
  silkscreen extent -5.93,-5.62 5.92,5.13, body extent -5.8,-5 5.8,5, height 2.35
U_SAM-M8Q [mm] "ublox SAM antenna module"
  rect 1.8x1.5 smd paste-1.8: 1(-6.6,3.8) 2(-6.6,1.9) 3(-6.6,0) 4(-6.6,-1.9) 5(-6.6,-3.8) 11(6.6,-3.8) 12(6.6,-1.9) 13(6.6,0) 14(6.6,1.9) 15(6.6,3.8)
  rect 1.5x1.8 smd paste-1.8: 6(-3.8,-6.6) 7(-1.9,-6.6) 8(0,-6.6) 9(1.9,-6.6) 10(3.8,-6.6) 16(3.8,6.6) 17(1.9,6.6) 18(0,6.6) 19(-1.9,6.6) 20(-3.8,6.6)
  silkscreen extent -8.48,-7.9 7.87,7.87, body extent -7.75,-7.77 7.74,7.74, height 6.8
U_SOT23-3 [mm]
  rect 0.8x0.9 smd paste+0 mask+0.05: 1(-0.9,-1)
  rect 0.8x0.9 smd mask+0.05: 2(0.9,-1) 3(0,1)
  silkscreen extent -1.58,-0.7 1.58,0.7, body extent -1.46,-1.17 1.46,1.17, height 1
U_SOT23-6 [mm] "SOT23-6"
  rect 0.6x1.05 smd: 1(-0.95,-1.35) 2(0,-1.35) 3(0.95,-1.35) 4(0.95,1.35) 5(0,1.35) 6(-0.95,1.35)
  silkscreen extent -2,-2.05 1.58,2.05, body extent -1.46,-1.17 1.46,1.17, height 1
Y_ABMM2 [mm] "8MHz ±20ppm Crystal 18pF 72 Ohms 4-SMD, No Lead"
  rect 1.4x1.8 smd: 1(-1.2,2.2) 2(-1.2,-2.2) 3(1.2,-2.2) 4(1.2,2.2)
  silkscreen extent -2.5,-3.35 2.15,3.65, body extent -1.8,-3 1.8,3, height 1.2
Y_XTAL-3215 [mm]
  rect 1x1.8 smd: 1(-1.25,0) 2(1.25,0)
  silkscreen extent -0.6,-0.75 0.6,0.75, body extent -1.6,-0.75 1.6,0.75, height 0.81
Z_I_SENSE [mm]
  round 1 smd paste-5: 1(-1.275,0) 2(1.275,0)
  Top Layer region: -1.275,-0.5 -0.1,-0.5 -0.1,0.5 -1.275,0.5
  Top Layer region: 1.275,0.5 0.1,0.5 0.1,-0.5 1.275,-0.5
  silkscreen extent -1.87,-0.6 1.87,1.05
Z_SIL-logo [mm]
  silkscreen extent 0.02,0.02 9.2,4.77
Z_SIL-PGM [mm] "Case Takachi WP10-10 Bottom"
  silkscreen extent 0,0 23,11

## Part data
AN1: library part AN_2.4GHz-PCB, "2.4 GHz PCB antenna", Manufacturer="Swiss Innovation Lab", Manufacturer Part Number="SIL AN24GHZ", Currency=$, Price=0, Supplier 1=SIL, Supplier Part Number 1="SIL AN24GHZ"
C1 C3 C4 C6 C7 C12 C13 C15 C17 C19 C21 C23 C26 C27 C31 C35 C43 C45 C46 C47 C50 C52 C53 C55 C56 C58 C59 C60 C61: library part C_100nF_50V, "0.1µF ±10% 50V Ceramic Capacitor X7R 0603 (1608 Metric)", Manufacturer=TDK, Manufacturer Part Number=C1608X7R1H104K080AA, Supplier Part Number 1=445-1314-6-ND, ValueAux=_50V, Currency=$, Price=0,01309, Supplier 1=Digi-Key
C2 C14 C16 C18 C20 C22 C24 C51 C54 C57: library part C_10uF_10V, "10µF ±10% 10V Ceramic Capacitor X5R 0603 (1608 Metric)", Manufacturer="Murata Electronics North America", Manufacturer Part Number=GRM188R61A106KE69D, Supplier Part Number 1=490-10474-1-ND, ValueAux=_10V, Currency=$, Price=0,03994, Supplier 1=Digi-Key
C5 C32 C40: library part C_220uF_6.3V, "220µF ±20% 6.3V Ceramic Capacitor X5R 1206 (3216 Metric)", Manufacturer="Murata Electronics North America", Manufacturer Part Number=GRM31CR60J227ME11L, Supplier Part Number 1=490-13970-1-ND, ValueAux=_6.3V, Currency=$, Price=0,59945, Supplier 1=Digi-Key
C8 C9 C29 C30: library part C_18pF_50V, "18pF ±5% 50V Ceramic Capacitor C0G, NP0 0603 (1608 Metric)", Manufacturer=KEMET, Manufacturer Part Number=C0603C180J5GACTU, Supplier Part Number 1=399-1052-1-ND, ValueAux=_50V, Currency=$, Price=0,00974, Supplier 1=Digi-Key
C10 C11: library part C_12pF_50V, "12pF ±1% 50V Ceramic Capacitor C0G, NP0 0603 (1608 Metric)", Manufacturer="Samsung Electro-Mechanics", Manufacturer Part Number=CL10C120FB8NNNC, Supplier Part Number 1=1276-2175-1-ND, ValueAux=_50V, Currency=$, Price=0,05153, Supplier 1=Digi-Key
C25 C33 C41 C48: library part C_22uF_6V3, "22µF ±20% 6.3V Ceramic Capacitor X5R 0603 (1608 Metric)", Manufacturer="Samsung Electro-Mechanics", Manufacturer Part Number=CL10A226MQ8NRNC, Supplier Part Number 1=1276-1193-1-ND, ValueAux=_6.3V, Currency=$, Price=0,04566, Supplier 1=Digi-Key
C28: library part C_33pF_50V, "33pF ±1% 50V Ceramic Capacitor C0G, NP0 0603 (1608 Metric)", Manufacturer="Samsung Electro-Mechanics", Manufacturer Part Number=CL10C101FB8NNNC, Supplier Part Number 1=1276-2159-2-ND, ValueAux=_50V, Currency=$, Price=0,04166, Supplier 1=Digi-Key
C34 C42: library part C_1uF_50V, "1µF 50V Ceramic Capacitor X5R 0603 (1608 Metric) 0.063\" L x 0.032\" W (1.60mm x 0.80mm)", Manufacturer="Samsung Electro-Mechanics", Manufacturer Part Number=CL10A105KB8NNNC, Supplier Part Number 1=1276-1860-1-ND, ValueAux=_50V, Currency=$, Price=0,03472, Supplier 1=Digi-Key
C36 C37 C38 C39 C44: library part C_33pF_50V, "33pF ±1% 50V Ceramic Capacitor C0G, NP0 0603 (1608 Metric)", Manufacturer="Samsung Electro-Mechanics", Manufacturer Part Number=CL10C330FB8NNNC, Supplier Part Number 1=1276-2262-6-ND, ValueAux=_50V, Currency=$, Price=0,04166, Supplier 1=Digi-Key
C49: library part C_1.5pF_50V, "1.5pF ±0.1pF 50V Ceramic Capacitor C0G, NP0 0603 (1608 Metric)", Manufacturer="Samsung Electro-Mechanics", Manufacturer Part Number=CL10C1R5BB8NNNC, Supplier Part Number 1=1276-1071-1-ND, ValueAux=_50V, Currency=$, Price=0,01291, Supplier 1=Digi-Key
CN1: library part CN_USB-C-RA_2, "USB-C (USB TYPE-C) USB 3.2 Gen 2 (USB 3.1 Gen 2, Superspeed + (USB 3.1)) Receptacle Connector 24 Position Surface Mount, Right Angle; Through Hole", Manufacturer="CUI Devices", Manufacturer Part Number=UJ31-CH-G-SMT-TR-67, Supplier Part Number 1=2223-UJ31-CH-G-SMT-TR-67CT-ND, Currency=$, Price=2,43252, Supplier 1=Digi-Key
CN2 CN3: library part CN_S2B-XH, "Connector Header Through Hole, Right Angle 2 position 0.098\" (2.50mm)", Manufacturer="JST Sales America Inc.", Manufacturer Part Number=S2B-XH-A(LF)(SN), Supplier Part Number 1=455-2257-ND, Currency=$, Price=0,07792, Supplier 1=Digi-Key
CN4: library part CN_MicroSD-Holder, "10 (8 + 2) Position Card Connector Secure Digital microSD Surface Mount, Right Angle Gold", Manufacturer=Molex, Manufacturer Part Number=5031821852, Supplier Part Number 1=WM12834CT-ND, Currency=$, Price=2,94830, Supplier 1=Digi-Key
CN5: library part CN_QWICC, "Connector Header Surface Mount, Right Angle 4 position 0.039\" (1.00mm)", Manufacturer="JST Sales America Inc.", Manufacturer Part Number=SM04B-SRSS-TB(LF)(SN), Supplier Part Number 1=455-1804-1-ND, Currency=$, Price=0,61, Supplier 1=Digi-Key